# Altium PCB LPCB220R0.PcbDoc (part 1 of 4) (continued)
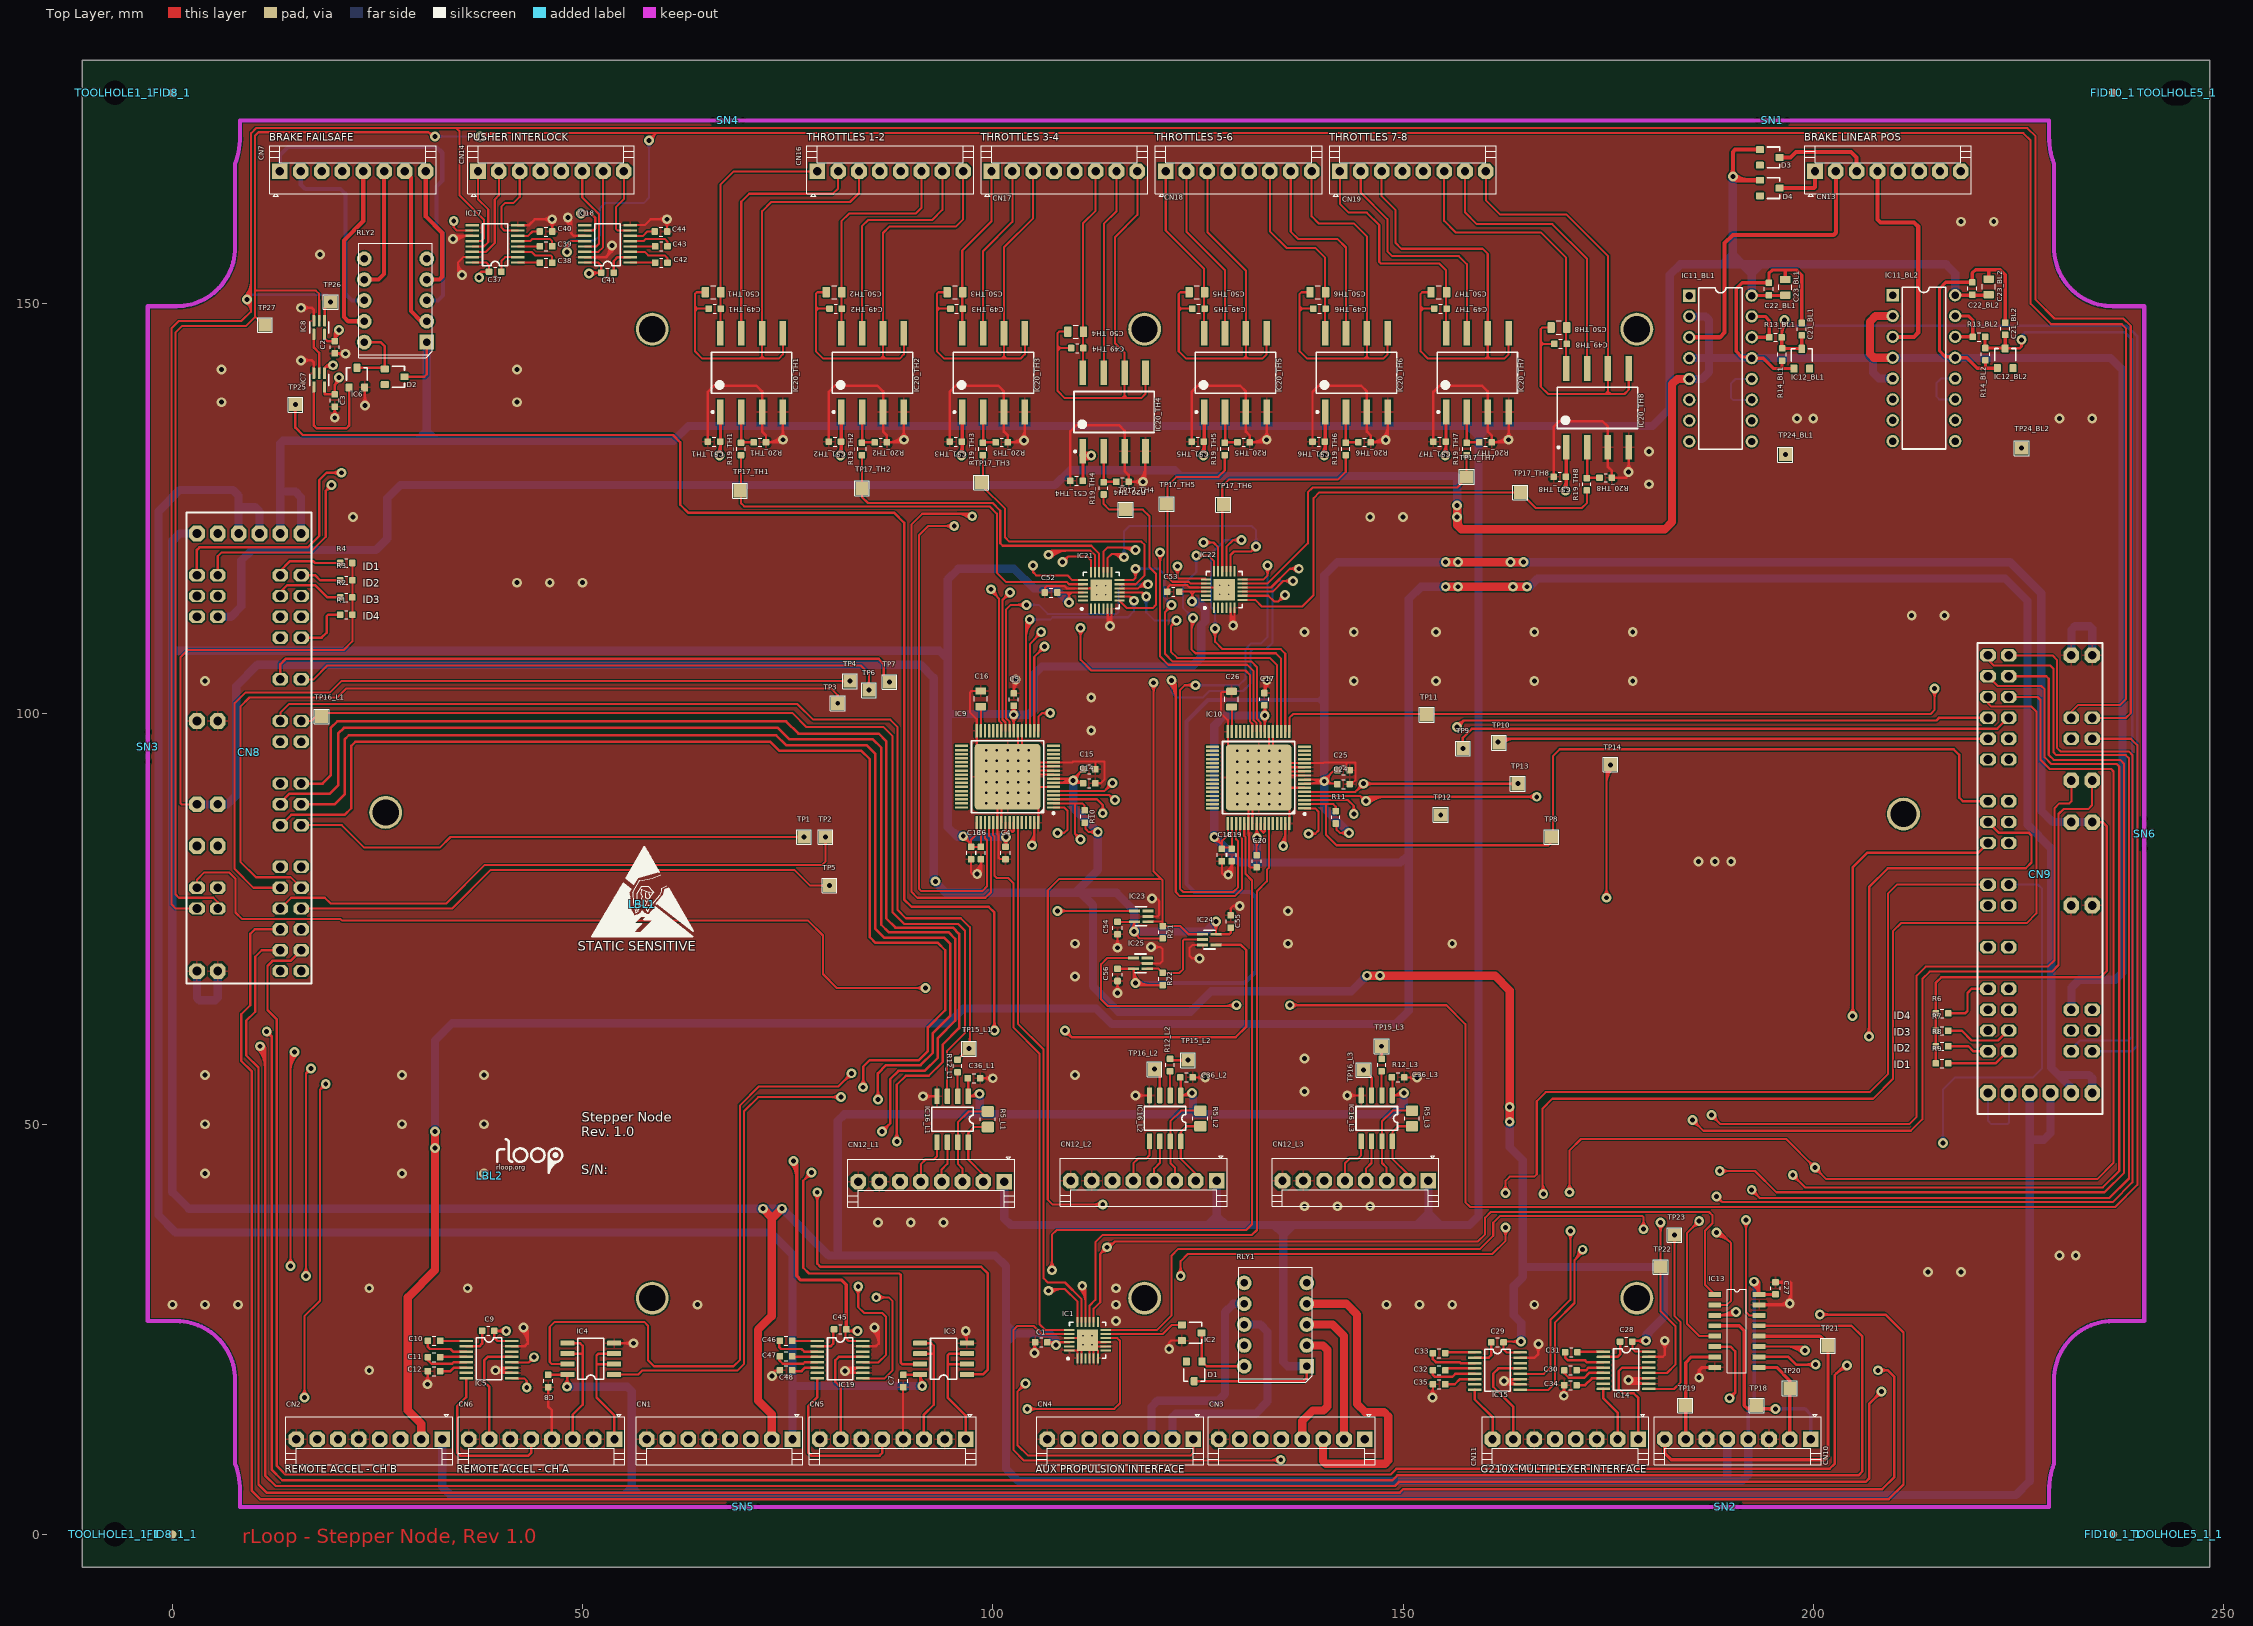
[diagram p0: Top Layer view]
## Components (designator, comment, footprint, x,y, rotation, side; value= is the part's Value field where it differs from the comment) (continued)
CN19 "640456-8" 640456-8 151.2,166.138 r0 top
D1 "BAS16" LFP021__SOT23 124.55,19.875 r180 top
D2 "BAS16" LFP021__SOT23 27.1,141.1 r270 top
D3 "BAS16" LFP021__SOT23 194.7,167.829 r270 top
D4 "BAS16" LFP021__SOT23 194.7,164.1 r270 top
FID8_1 "FIDUCIAL" FIDTOP 0,175.695 r0 top
FID8_1_1 "FIDUCIAL" FIDTOP 0,0 r0 top
FID10_1 "FIDUCIAL" FIDTOP 236.548,175.695 r0 top
FID10_1_1 "FIDUCIAL" FIDTOP 236.548,0 r0 top
IC1 "MAX4948ETG+" LFP095__QFN127P600-8N 111.55,23.675 r0 top
IC2 "NUD3124LT1G" LFP021__SOT23 124.25,24.575 r270 top
IC3 "P82B96D" LFP097__SOIC150-8 94,21.4 r90 top
IC4 "P82B96D" LFP097__SOIC150-8 51,21.4 r90 top
IC5 "MAX3232CPWR" LFP049__TSSOP-16 38.6,21.3 r270 top
IC6 "NUD3124LT1G" LFP021__SOT23 22.5,141 r0 top
IC7 "74LVC1G32GW,125" LFP047__SOT353 17.9,140.7 r180 top
IC8 "74LVC1G32GW,125" LFP047__SOT353 17.9,147.1 r180 top
IC9 "AMC7812BSPAP" LFP134__H-QFP10X10-64N 101.8,92.35 r90 top
IC10 "AMC7812BSPAP" LFP134__H-QFP10X10-64N 132.4,92.25 r90 top
IC11_BL1 "RCV420JP" DIP-P16/X1.5 188.7,142.1 r270 top (schematic designator IC11)
IC11_BL2 "RCV420JP" DIP-P16/X1.5 213.49,142.15 r270 top (schematic designator IC11)
IC12_BL1 "BZX84C3V6LT1G" LFP021__SOT23 198.6,143.3 r0 top (schematic designator IC12)
IC12_BL2 "BZX84C3V6LT1G" LFP021__SOT23 223.39,143.35 r0 top (schematic designator IC12)
IC13 "SN74HCT157DR" LFP079__SOP16 190.7,24.8 r270 top
IC14 "MAX3232CPWR" LFP049__TSSOP-16 177.2,20 r270 top
IC15 "MAX3232CPWR" LFP049__TSSOP-16 161.5,19.9 r270 top
IC16_L1 "DS8921AMX/NOPB" LFP069__R-8G 95.1,50.6 r180 top (schematic designator IC16)
IC16_L2 "DS8921AMX/NOPB" LFP069__R-8G 121,50.7 r180 top (schematic designator IC16)
IC16_L3 "DS8921AMX/NOPB" LFP069__R-8G 146.8,50.7 r180 top (schematic designator IC16)
IC17 "MAX3232CPWR" LFP049__TSSOP-16 39.35,157.3 r90 top
IC18 "MAX3232CPWR" LFP049__TSSOP-16 53.05,157.3 r90 top
IC19 "MAX3232CPWR" LFP049__TSSOP-16 81.4,21.3 r270 top
IC20_TH1 "AMC1100DWV" LFP116__R-PDSO-G8 70.61,141.6 r0 top (schematic designator IC20)
IC20_TH2 "AMC1100DWV" LFP116__R-PDSO-G8 85.351,141.6 r0 top (schematic designator IC20)
IC20_TH3 "AMC1100DWV" LFP116__R-PDSO-G8 100.093,141.6 r0 top (schematic designator IC20)
IC20_TH4 "AMC1100DWV" LFP116__R-PDSO-G8 114.8,136.8 r0 top (schematic designator IC20)
IC20_TH5 "AMC1100DWV" LFP116__R-PDSO-G8 129.576,141.6 r0 top (schematic designator IC20)
IC20_TH6 "AMC1100DWV" LFP116__R-PDSO-G8 144.317,141.6 r0 top (schematic designator IC20)
IC20_TH7 "AMC1100DWV" LFP116__R-PDSO-G8 159.059,141.6 r0 top (schematic designator IC20)
IC20_TH8 "AMC1100DWV" LFP116__R-PDSO-G8 173.7,137.3 r0 top (schematic designator IC20)
IC21 "MAX4948ETG+" LFP095__QFN127P600-8N 113.22,115.058 r0 top
IC22 "MAX4948ETG+" LFP095__QFN127P600-8N 128.22,115.158 r0 top
IC23 "MAX6814XK+T" LFP047__SOT353 118.087,75.33 r90 top
IC24 "74LVC1G32GW,125" LFP047__SOT353 126.4,72.5 r270 top
IC25 "MAX6814XK+T" LFP047__SOT353 118,69.6 r90 top
LBL1 "STATIC LABEL" STATIC_LABEL 57.3,76.8 r0 top
LBL2 "RLOOP_LOGO" RLOOP_LOGO 38.7,43.7 r0 top
R1 "0R / 0.1W / SMD 0603" LFP020__CR1608-0603-IPC7351_B 21.2,112.1 r0 top
R2 "0R / 0.1W / SMD 0603" LFP020__CR1608-0603-IPC7351_B 21.2,114.2 r0 top
R3 "0R / 0.1W / SMD 0603" LFP020__CR1608-0603-IPC7351_B 21.2,116.3 r0 top
R4 "0R / 0.1W / SMD 0603" LFP020__CR1608-0603-IPC7351_B 21.2,118.4 r0 top
R5_L1 "120R / 0.25W / SMD 0805" LFP029__CR2012-0805 99.4,50.6 r90 top (schematic designator R5)
R5_L2 "120R / 0.25W / SMD 0805" LFP029__CR2012-0805 125.3,50.7 r90 top (schematic designator R5)
R5_L3 "120R / 0.25W / SMD 0805" LFP029__CR2012-0805 151.1,50.7 r90 top (schematic designator R5)
R6 "0R / 0.1W / SMD 0603" LFP020__CR1608-0603-IPC7351_B 215.7,63.5 r180 top
R7 "0R / 0.1W / SMD 0603" LFP020__CR1608-0603-IPC7351_B 215.7,61.4 r180 top
R8 "0R / 0.1W / SMD 0603" LFP020__CR1608-0603-IPC7351_B 215.7,59.5 r180 top
R9 "0R / 0.1W / SMD 0603" LFP020__CR1608-0603-IPC7351_B 215.7,57.4 r180 top
R10 "10K / 0.1W / 1% / SMD 0603" LFP020__CR1608-0603-IPC7351_B 111.2,87.5 r270 top
R11 "10K / 0.1W / 1% / SMD 0603" LFP020__CR1608-0603-IPC7351_B 141.8,87.4 r270 top
R12_L1 "2.2K / 0.1W / 1% / SMD 0603" LFP020__CR1608-0603-IPC7351_B 95.7,57.1 r270 top (schematic designator R12)
R12_L2 "2.2K / 0.1W / 1% / SMD 0603" LFP020__CR1608-0603-IPC7351_B 121.6,57.2 r270 top (schematic designator R12)
R12_L3 "2.2K / 0.1W / 1% / SMD 0603" LFP020__CR1608-0603-IPC7351_B 147.4,57.2 r270 top (schematic designator R12)
R13_BL1 "1.78K / 0.1W / 1% / 50V / SMD 0603" LFP020__CR1608-0603-IPC7351_B 195.4,145.9 r180 top (schematic designator R13)
R13_BL2 "1.78K / 0.1W / 1% / 50V / SMD 0603" LFP020__CR1608-0603-IPC7351_B 220.19,145.95 r180 top (schematic designator R13)
R14_BL1 "3.3K / 0.1W / 1% / SMD 0603" LFP020__CR1608-0603-IPC7351_B 196.2,143.8 r90 top (schematic designator R14)
R14_BL2 "3.3K / 0.1W / 1% / SMD 0603" LFP020__CR1608-0603-IPC7351_B 220.99,143.85 r90 top (schematic designator R14)
R19_TH1 "190K / 0.1W / 1% / SMD 0603" LFP020__CR1608-0603-IPC7351_B 69.31,132.3 r270 top (schematic designator R19)
R19_TH2 "190K / 0.1W / 1% / SMD 0603" LFP020__CR1608-0603-IPC7351_B 84.051,132.3 r270 top (schematic designator R19)
R19_TH3 "190K / 0.1W / 1% / SMD 0603" LFP020__CR1608-0603-IPC7351_B 98.793,132.3 r270 top (schematic designator R19)
R19_TH4 "190K / 0.1W / 1% / SMD 0603" LFP020__CR1608-0603-IPC7351_B 113.5,127.5 r270 top (schematic designator R19)
R19_TH5 "190K / 0.1W / 1% / SMD 0603" LFP020__CR1608-0603-IPC7351_B 128.276,132.3 r270 top (schematic designator R19)
R19_TH6 "190K / 0.1W / 1% / SMD 0603" LFP020__CR1608-0603-IPC7351_B 143.017,132.3 r270 top (schematic designator R19)
R19_TH7 "190K / 0.1W / 1% / SMD 0603" LFP020__CR1608-0603-IPC7351_B 157.759,132.3 r270 top (schematic designator R19)
R19_TH8 "190K / 0.1W / 1% / SMD 0603" LFP020__CR1608-0603-IPC7351_B 172.4,128 r270 top (schematic designator R19)
R20_TH1 "10K / 0.1W / 1% / SMD 0603" LFP020__CR1608-0603-IPC7351_B 71.61,133.1 r180 top (schematic designator R20)
R20_TH2 "10K / 0.1W / 1% / SMD 0603" LFP020__CR1608-0603-IPC7351_B 86.351,133.1 r180 top (schematic designator R20)
R20_TH3 "10K / 0.1W / 1% / SMD 0603" LFP020__CR1608-0603-IPC7351_B 101.093,133.1 r180 top (schematic designator R20)
R20_TH4 "10K / 0.1W / 1% / SMD 0603" LFP020__CR1608-0603-IPC7351_B 115.8,128.3 r180 top (schematic designator R20)
R20_TH5 "10K / 0.1W / 1% / SMD 0603" LFP020__CR1608-0603-IPC7351_B 130.576,133.1 r180 top (schematic designator R20)
R20_TH6 "10K / 0.1W / 1% / SMD 0603" LFP020__CR1608-0603-IPC7351_B 145.317,133.1 r180 top (schematic designator R20)
R20_TH7 "10K / 0.1W / 1% / SMD 0603" LFP020__CR1608-0603-IPC7351_B 160.059,133.1 r180 top (schematic designator R20)
R20_TH8 "10K / 0.1W / 1% / SMD 0603" LFP020__CR1608-0603-IPC7351_B 174.7,128.8 r180 top (schematic designator R20)
R21 "10K / 0.1W / 1% / SMD 0603" LFP020__CR1608-0603-IPC7351_B 120.7,73.4 r270 top
R22 "10K / 0.1W / 1% / SMD 0603" LFP020__CR1608-0603-IPC7351_B 120.7,67.7 r270 top
RLY1 "TQ2-24" TQ2 134.45,25.575 r90 top
RLY2 "TQ2-24" TQ2 27.2,150.4 r90 top
SN1 "PCB_SNAPOUT" SNAPOUT_NEW 196.8,172.348 r180 top
SN2 "PCB_SNAPOUT" SNAPOUT_NEW 191.1,3.348 r180 top
SN3 "PCB_SNAPOUT" SNAPOUT_NEW -3,94.2 r90 top
SN4 "PCB_SNAPOUT" SNAPOUT_NEW 69.5,172.348 r180 top
SN5 "PCB_SNAPOUT" SNAPOUT_NEW 71.4,3.348 r180 top
SN6 "PCB_SNAPOUT" SNAPOUT_NEW 240.4,83.6 r90 top
TOOLHOLE1_1 "Comment" TOOL-1#1 -7,175.695 r0 top
TOOLHOLE1_1_1 "Comment" TOOL-1#1 -7,0 r0 top
TOOLHOLE5_1 "Comment" TOOL-1#2 244.348,175.695 r0 top
TOOLHOLE5_1_1 "Comment" TOOL-1#2 244.348,0 r0 top
TP1 "SMD_TP" SMD-TP 77,85 r0 top
TP2 "SMD_TP" SMD-TP 79.6,85 r0 top
TP3 "SMD_TP" SMD-TP 81.1,101.3 r0 top
TP4 "SMD_TP" SMD-TP 82.6,104 r0 top
TP5 "SMD_TP" SMD-TP 80.1,79.1 r0 top
TP6 "SMD_TP" SMD-TP 84.9,102.9 r0 top
TP7 "SMD_TP" SMD-TP 87.4,103.9 r0 top
TP8 "SMD_TP" SMD-TP 168.1,85 r0 top
TP9 "SMD_TP" SMD-TP 157.3,95.8 r0 top
TP10 "SMD_TP" SMD-TP 161.706,96.494 r0 top
TP11 "SMD_TP" SMD-TP 152.9,99.9 r0 top
TP12 "SMD_TP" SMD-TP 154.6,87.7 r0 top
TP13 "SMD_TP" SMD-TP 164,91.5 r0 top
TP14 "SMD_TP" SMD-TP 175.275,93.825 r0 top
TP15_L1 "SMD_TP" SMD-TP 97.1,59.2 r90 top (schematic designator TP15)
TP15_L2 "SMD_TP" SMD-TP 123.8,57.8 r90 top (schematic designator TP15)
TP15_L3 "SMD_TP" SMD-TP 147.4,59.5 r90 top (schematic designator TP15)
TP16_L1 "SMD_TP" SMD-TP 18.2,99.7 r90 top (schematic designator TP16)
TP16_L2 "SMD_TP" SMD-TP 119.7,56.7 r90 top (schematic designator TP16)
TP16_L3 "SMD_TP" SMD-TP 145.2,56.6 r90 top (schematic designator TP16)
TP17_TH1 "SMD_TP" SMD-TP 69.2,127.2 r90 top (schematic designator TP17)
TP17_TH2 "SMD_TP" SMD-TP 84.051,127.5 r90 top (schematic designator TP17)
TP17_TH3 "SMD_TP" SMD-TP 98.6,128.2 r90 top (schematic designator TP17)
TP17_TH4 "SMD_TP" SMD-TP 116.2,124.9 r90 top (schematic designator TP17)
TP17_TH5 "SMD_TP" SMD-TP 121.2,125.6 r90 top (schematic designator TP17)
TP17_TH6 "SMD_TP" SMD-TP 128.1,125.5 r90 top (schematic designator TP17)
TP17_TH7 "SMD_TP" SMD-TP 157.759,128.9 r90 top (schematic designator TP17)
TP17_TH8 "SMD_TP" SMD-TP 164.3,127 r90 top (schematic designator TP17)
TP18 "SMD_TP" SMD-TP 193.1,15.7 r0 top
TP19 "SMD_TP" SMD-TP 184.4,15.7 r0 top
TP20 "SMD_TP" SMD-TP 197.15,17.8 r0 top
TP21 "SMD_TP" SMD-TP 201.8,23 r0 top
TP22 "SMD_TP" SMD-TP 181.4,32.6 r0 top
TP23 "SMD_TP" SMD-TP 183.1,36.5 r0 top
TP24_BL1 "SMD_TP" SMD-TP 196.6,131.6 r90 top (schematic designator TP24)
TP24_BL2 "SMD_TP" SMD-TP 225.4,132.4 r90 top (schematic designator TP24)
TP25 "SMD_TP" SMD-TP 15,137.7 r0 top
TP26 "SMD_TP" SMD-TP 19.3,150.2 r0 top
TP27 "SMD_TP" SMD-TP 11.3,147.4 r0 top

## Footprints (in the part's own frame and the unit in brackets; to place one, negate y for a bottom-side part, rotate by r counter-clockwise, add the part's x,y. Pads: shape width x height; smd on the part's side, far side on the other; paste and mask are expansions set on the pad)
640456-8 [mm] "Connector, Male Header, 8 Way"
  rect 1.905x1.905 hole 1.02: 1(-8.89,0)
  oct 1.905x1.905 hole 1.02: 2(-6.35,0) 3(-3.81,0) 4(-1.27,0) 5(1.27,0) 6(3.81,0) 7(6.35,0) 8(8.89,0)
  silkscreen extent -10.15,-3.04 10.17,3.1
DIP-P16/X1.5 [mm] "16Pin DIP"
  rect 1.5x1.5 hole 0.9: 1(-8.89,-3.81)
  round 1.5 hole 0.9: 2(-6.35,-3.81) 3(-3.81,-3.81) 4(-1.27,-3.81) 5(1.27,-3.81) 6(3.81,-3.81) 7(6.35,-3.81) 8(8.89,-3.81) 9(8.89,3.81) 10(6.35,3.81) 11(3.81,3.81) 12(1.27,3.81) 13(-1.27,3.81) 14(-3.81,3.81) 15(-6.35,3.81) 16(-8.89,3.81)
  silkscreen extent -9.85,-2.65 9.85,2.65
FIDTOP [mil]
  round 40 smd mask+39.37: 1(0,0)
LFP010__CC2012-0805-IPC7351_B [mm]
  rrect25% 0.9x1.3 smd paste-0.01: 1(-0.95,0) 2(0.95,0)
  silkscreen extent -0.3,-0.8 0.3,0.8
LFP011__CC1608-0603-IPC7351_B [mm]
  rrect25% 0.8x0.8 smd: 1(-0.75,0) 2(0.75,0)
  silkscreen extent -0.2,-0.55 0.2,0.55
LFP020__CR1608-0603-IPC7351_B [mm]
  rrect25% 0.8x0.8 smd: 1(-0.75,0) 2(0.75,0)
  silkscreen extent -0.2,-0.5 0.2,0.5
LFP021__SOT23 [mm] "SOT-23; 3 Leads; Body 3.0 x 2.5 mm, inc. leads (LxW max)"
  rrect25% 0.85x1 smd paste-0.05: 1(-0.95,-1.2) 2(0.95,-1.2) 3(0,1.2)
  silkscreen extent -1.27,-0.3 1.28,1.2
LFP029__CR2012-0805 [mm]
  rrect25% 1.3x1.5 smd paste-0.01: 1(-0.95,0) 2(0.95,0)
  silkscreen extent -0.2,-0.9 0.2,0.9
LFP047__SOT353 [mm] "SOT-353/SC-88A; 5 Leads; Body 2.2 x 2.2 mm, inc. leads (LxW max)"
  rrect25% 0.35x1.35 smd paste-0.03: 1(-0.65,-0.825) 2(0,-0.825) 3(0.65,-0.825) 4(0.65,0.825) 5(-0.65,0.825)
  silkscreen extent -1.15,-0.7 1.15,0.7
LFP049__TSSOP-16 [mm] "Copied from 984E-02"
  rrect25% 0.3x1.65 smd paste-0.03: 1(-2.275,-2.775) 2(-1.625,-2.775) 3(-0.975,-2.775) 4(-0.325,-2.775) 5(0.325,-2.775) 6(0.975,-2.775) 7(1.625,-2.775) 8(2.275,-2.775) 9(2.275,2.775) 10(1.625,2.775) 11(0.975,2.775) 12(0.325,2.775) 13(-0.325,2.775) 14(-0.975,2.775) 15(-1.625,2.775) 16(-2.275,2.775)
  silkscreen extent -2.65,-1.55 2.45,1.55
LFP069__R-8G [mm] "Small Outline; 8 Leads; Body Width 3.9 mm; Pitch 1.27 mm"
  rrect25% 0.65x1.9 smd paste-0.05: 1(-1.905,-2.8) 2(-0.635,-2.8) 3(0.635,-2.8) 4(1.905,-2.8) 5(1.905,2.8) 6(0.635,2.8) 7(-0.635,2.8) 8(-1.905,2.8)
  silkscreen extent -2.52,-1.45 2.52,1.45
LFP079__SOP16 [mm]
  rrect10% 0.6x1.55 smd paste-0.05: 1(-4.445,-2.7) 2(-3.175,-2.7) 3(-1.905,-2.7) 4(-0.635,-2.7) 5(0.635,-2.7) 6(1.905,-2.7) 7(3.175,-2.7) 8(4.445,-2.7) 9(4.445,2.7) 10(3.175,2.7) 11(1.905,2.7) 12(0.635,2.7) 13(-0.635,2.7) 14(-1.905,2.7) 15(-3.175,2.7) 16(-4.445,2.7)
  silkscreen extent -5.08,-1.16 5.08,1.16
LFP095__QFN127P600-8N [mm]
  rrect25% 0.25x1.25 smd paste-0.02: 1(-1.25,-2.225) 2(-0.75,-2.225) 3(-0.25,-2.225) 4(0.25,-2.225) 5(0.75,-2.225) 6(1.25,-2.225) 13(1.25,2.225) 14(0.75,2.225) 15(0.25,2.225) 16(-0.25,2.225) 17(-0.75,2.225) 18(-1.25,2.225)
  rrect25% 1.25x0.25 smd paste-0.02: 7(2.225,-1.25) 8(2.225,-0.75) 9(2.225,-0.25) 10(2.225,0.25) 11(2.225,0.75) 12(2.225,1.25) 19(-2.225,1.25) 20(-2.225,0.75) 21(-2.225,0.25) 22(-2.225,-0.25) 23(-2.225,-0.75) 24(-2.225,-1.25)
  rect 2.6x2.6 smd paste-0.6: PAD(0,0)
  silkscreen extent -2.5,-2.37 2.2,2.2
LFP097__SOIC150-8 [mm] "Small Outline, Plastic, Narrow; 8 Leads; Body Width 3.8 mm; Pitch 1.27 mm"
  rrect10% 0.6x1.7 smd paste-0.05: 1(-1.905,-2.85) 2(-0.635,-2.85) 3(0.635,-2.85) 4(1.905,-2.85) 5(1.905,2.85) 6(0.635,2.85) 7(-0.635,2.85) 8(-1.905,2.85)
  silkscreen extent -2.5,-1.6 2.5,1.6
LFP116__R-PDSO-G8 [mm] "SOP, 8-Leads, Body 9.50x6.62mm, Pitch 2.54mm, IPC Medium Density"
  rect 0.8x3 smd: 1(-3.81,-4.8) 2(-1.27,-4.8) 3(1.27,-4.8) 4(3.81,-4.8) 5(3.81,4.8) 6(1.27,4.8) 7(-1.27,4.8) 8(-3.81,4.8)
  silkscreen extent -4.9,-4.92 4.9,2.5
LFP134__H-QFP10X10-64N [mm] "HQFP 10X10MM"
  rrect25% 0.3x1.6 smd paste-0.015: 1(-3.75,-5.6) 2(-3.25,-5.6) 3(-2.75,-5.6) 4(-2.25,-5.6) 5(-1.75,-5.6) 6(-1.25,-5.6) 7(-0.75,-5.6) 8(-0.25,-5.6) 9(0.25,-5.6) 10(0.75,-5.6) 11(1.25,-5.6) 12(1.75,-5.6) 13(2.25,-5.6) 14(2.75,-5.6) 15(3.25,-5.6) 16(3.75,-5.6) 33(3.75,5.6) 34(3.25,5.6) 35(2.75,5.6) 36(2.25,5.6) 37(1.75,5.6) 38(1.25,5.6) 39(0.75,5.6) 40(0.25,5.6) 41(-0.25,5.6) 42(-0.75,5.6) 43(-1.25,5.6) 44(-1.75,5.6) 45(-2.25,5.6) 46(-2.75,5.6) 47(-3.25,5.6) 48(-3.75,5.6)
  rrect25% 1.6x0.3 smd paste-0.015: 17(5.6,-3.75) 18(5.6,-3.25) 19(5.6,-2.75) 20(5.6,-2.25) 21(5.6,-1.75) 22(5.6,-1.25) 23(5.6,-0.75) 24(5.6,-0.25) 25(5.6,0.25) 26(5.6,0.75) 27(5.6,1.25) 28(5.6,1.75) 29(5.6,2.25) 30(5.6,2.75) 31(5.6,3.25) 32(5.6,3.75) 49(-5.6,3.75) 50(-5.6,3.25) 51(-5.6,2.75) 52(-5.6,2.25) 53(-5.6,1.75) 54(-5.6,1.25) 55(-5.6,0.75) 56(-5.6,0.25) 57(-5.6,-0.25) 58(-5.6,-0.75) 59(-5.6,-1.25) 60(-5.6,-1.75) 61(-5.6,-2.25) 62(-5.6,-2.75) 63(-5.6,-3.25) 64(-5.6,-3.75)
  rrect10% 8x8 smd paste-8: PAD(0,0)
  silkscreen extent -4.57,-5.72 4.4,4.4
RLOOP_LOGO [mm]
  silkscreen extent 0.89,0.39 8.82,4.45
RLOOP_NODE_CORE [mil]
  oct 59.06x75 hole 42: A10(200,0) A11(200,100) A12(300,0) A13(300,100) A14(400,0) AGND(400,100) ID1(200,400) ID2(200,500) ID3(300,400) ID4(500,500) ID5(500,400) ID6(400,500) ID7(400,400) ID8(300,500) SCL(700,500) SDA(700,400) T0(900,400) T1(900,500) T2(1000,400) T5(1000,500) T6(1200,400) T7(1200,500) T8(1300,400) T9(1300,500) T10(1400,400) T11(1400,500) T14(1600,400) T15(1600,500) T16(1700,400) T17(1700,500) T20(1800,400) T21(1800,500) T22(1900,400) T23(1900,500) T24(2000,400) T25(2000,500) T26(2100,400) T27(2100,500) T28(1700,0) T31(1700,100) T32(1800,0) T33(1800,100)
  oct 75x75 hole 42: D3V31(1300,0) D3V32(1300,100) D12V1(0,300) D12V2(0,200) GND1(2100,100) GND2(2100,0) GND3(900,100) GND4(900,0) P5V1(0,0) P5V2(0,100) P24V1(0,400) P24V2(0,500) T12(1500,0) T13(1500,100)
  silkscreen extent -100,-50 2160,550
SMD-TP [mm]
  rect 1.6x1.6 smd paste-2: 1(0,0)
  silkscreen extent -0.9,-0.9 0.9,0.9
SNAPOUT_NEW [mm]
  round 0.4 hole 0.8 unplated: 0(0,0) 0(1.2,0) 0(2.4,0) 0(3.6,0)
STATIC_LABEL [mm]
  silkscreen extent -6.16,-3.95 6.18,7.02
TOOL-1#1 [mm]
  round 2.54 hole 3 unplated: TOOL(0,0)
TOOL-1#2 [mm]
  round 0.076 hole 3 slot 4 at 0 deg unplated: TOOL1(0,0)
TQ2 [mm]
  rect 1.8x1.8 hole 0.9: 1(-5.08,-3.81)
  round 1.8 hole 0.9: 2(-2.54,-3.81) 3(0,-3.81) 4(2.54,-3.81) 5(5.08,-3.81) 6(5.08,3.81) 7(2.54,3.81) 8(0,3.81) 9(-2.54,3.81) 10(-5.08,3.81)
  silkscreen extent -7,-4.5 7,4.5

## Part data
C1 C2 C3 C4 C5 C6 C7 C8 C13 C14 C15 C17 C18 C19 C20 C22_BL1 C22_BL2 C24 C25 C27 C36_L1 C36_L2 C36_L3 C49_TH1 C49_TH2 C49_TH3 C49_TH4 C49_TH5 C49_TH6 C49_TH7 C49_TH8 C51_TH1 C51_TH2 C51_TH3 C51_TH4 C51_TH5 C51_TH6 C51_TH7 C51_TH8 C52 C53 C54 C55 C56: "Capacitor, Ceramic Chip, 100nF (0.1uF), 50V, 5%, SMD 0603 [LCA016]"
C9 C10 C11 C12 C28 C29 C30 C31 C32 C33 C34 C35 C37 C38 C39 C40 C41 C42 C43 C44 C45 C46 C47 C48: "Capacitor, Ceramic Chip, 100nF, 50V, 10%, SMD 0603"
C16 C26: "Capacitor, Ceramic Chip, 4.7uF, 25V, 10%, SMD 0805 [LCA093]"
C21_BL1 C21_BL2: "Capacitor, Ceramic Chip, 10pF, 50V, 5%, SMD 0603 [LCA019]"
C23_BL1 C23_BL2 C50_TH1 C50_TH2 C50_TH3 C50_TH4 C50_TH5 C50_TH6 C50_TH7 C50_TH8: "Capacitor, Ceramic Chip, 1uF, 50V, SMD 0805 [LCA098]"
CN1 CN2 CN3 CN4 CN5 CN6 CN7 CN10 CN11 CN12_L1 CN12_L2 CN12_L3 CN13 CN14 CN16 CN17 CN18 CN19: "Connector, Male Header, 8 Way"
CN8 CN9: "rLoop Node Core Connector"
D1 D2 D3 D4: "Diode, Small Signal, 0.2A, 85V, SMD SOT-23 [LIC006]"
IC1 IC21 IC22: "IC, Analog Switch, SMD [LIC548]"
IC2 IC6: "IC, Relay Driver, 28V Industrial, SMD SOT23 [LIC292]"
IC3 IC4: "IC, I2C Line Driver [LIC571]"
IC5 IC14 IC15 IC17 IC18 IC19: "IC, RS232 Line Driver, 3.3V, SMD TSSOP16"
IC7 IC8 IC24: "IC, Logic OR Gate, Single 2 Input, SMD SOT353 [LIC336]"
IC9 IC10: "IC, ADC / DAC, SMD [LIC550]"
IC11_BL1 IC11_BL2: "IC, 4-20mA Interface, DIP16 [LIC546]"
IC12_BL1 IC12_BL2: "Diode, Zener, 3.6V, 0.225W, SMD [LIC083]"
IC13: "IC, Multiplexer Select 2-1 [LIC525]"
IC16_L1 IC16_L2 IC16_L3: "IC, RS422 Tx Rx, SMD SOIC 8"
IC20_TH1 IC20_TH2 IC20_TH3 IC20_TH4 IC20_TH5 IC20_TH6 IC20_TH7 IC20_TH8: "IC, Isolation Amplifier, SMD SOIC8 [LIC549]"
IC23 IC25: "IC, Watchdog, SMD [LIC580]"
R1 R2 R3 R4 R6 R7 R8 R9: "Resistor, Ceramic Chip, 0R, 0.1W, SMD 0603 [LRE026]"
R5_L1 R5_L2 R5_L3: "Resistor, Thick Film, 120R, 0.25W, 5%, SMD 0805 [LRE190]"
R10 R11 R20_TH1 R20_TH2 R20_TH3 R20_TH4 R20_TH5 R20_TH6 R20_TH7 R20_TH8 R21 R22: "Resistor, Ceramic Chip, 10K, 0.1W, 1%, SMD 0603 [LRE030]"
R12_L1 R12_L2 R12_L3: "Resistor, Ceramic Chip, 2.2K, 0.1W, 1%, SMD 0603 [LRE027]"
R13_BL1 R13_BL2: "Resistor, Ceramic Chip, 1.78K, 0.1W, 1%, SMD 0603 [LRE167]"
R14_BL1 R14_BL2: "Resistor, Ceramic Chip, 3.3K0, 0.1W, 1%, SMD 0603 [LRE140]"
R19_TH1 R19_TH2 R19_TH3 R19_TH4 R19_TH5 R19_TH6 R19_TH7 R19_TH8: "Resistor, Ceramic Chip, 190K, 0.1W, 1%, SMD 0603 [LRE184]"
RLY1 RLY2: "Relay, DPDT, Non Latching, 24VDC Coil, 1A Rating, PTH"
TP1 TP2 TP3 TP4 TP5 TP6 TP7 TP8 TP9 TP10 TP11 TP12 TP13 TP14 TP15_L1 TP15_L2 TP15_L3 TP16_L1 TP16_L2 TP16_L3 TP17_TH1 TP17_TH2 TP17_TH3 TP17_TH4 TP17_TH5 TP17_TH6 TP17_TH7 TP17_TH8 TP18 TP19 TP20 TP21 TP22 TP23 TP24_BL1 TP24_BL2 TP25 TP26 TP27: "SMD Test Point"

## Free pads (board coordinates)
  round 4 hole 3.2: B(26,88) B(58.5,28.8) B(58.5,146.9) B(118.5,28.8) B(118.5,146.9) B(178.5,28.8) B(178.5,146.9) B(211,87.8)

## Via types
v1: diameter 1.2, hole 0.6, Top Layer to Bottom Layer, 341 vias
v2: diameter 0.6, hole 0.3, Top Layer to Bottom Layer, 60 vias
v3: diameter 0.5, hole 0.2, Top Layer to Bottom Layer, tented both sides, 12 vias

## Nets (pads, with @x,y where several pads share a name; then routed paths per layer and width w, separated by ;. In a path a pad name is that pad's centre, name@x,y a point inside that pad or via, vN(x,y) a via of type N, cw(c..) or ccw(c..) an arc to the next point about the centre after c; other vN are vias at no path point)
A_AP_THROTTLE1: IC1.19 IC9.53 | length 68.2
  Top Layer w0.254: IC9.53@100.05,86.75 100.05,85.235 100.214,85.071 100.214,80.286 100.5,80 101.9,80 102.5,79.4 102.5,61.8 105.7,58.6 105.7,31.286 105.7,25.6 106.375,24.925 IC1.19@109.325,24.925
A_AP_THROTTLE2: IC1.17 IC9.59 | length 65.3
  Top Layer w0.254: IC9.59@103.05,86.75 103.05,62.25 106.2,59.1 106.2,31.2 106.7,30.7 108.8,30.7 110.8,28.7 IC1.17@110.8,25.9
A_HE_THROTTLE1: IC9.26 IC21.19 | length 39.7
  Top Layer w0.254: v1@99.8,114.727 cw(c99.8,114.068) 100.266,114.534 ; v1(99.8,115.2) 99.7,115.1 100.772,114.028 100.772,99.157 101.05,98.879 IC9.26@101.05,97.95 ; v1@100.019,115.2 ccw(c101.031,115.2) 100.315,114.485 ; v1@100.273,115.2 ccw(c101.898,115.2) 100.749,114.051 ; v1@104.672,117.686 cw(c104.46,117.3) 104.9,117.3 ; v1(104.9,118.1) 104.9,117.3 ; v1@105.128,117.686 ccw(c105.34,117.3) 104.9,117.3 ; IC21.19@110.995,116.308 109.692,116.308 109.1,116.9 105.3,116.9 104.9,117.3
  Mid-Layer 1 w0.254: v1@99.466,115.534 ccw(c98.658,116.342) 99.8,116.342 ccw(c100.942,116.342) v1@100.134,115.534 ; v1(99.8,115.2) 99.8,117.1 100.8,118.1 v1(104.9,118.1) ; v1@104.566,117.766 ccw(c103.758,116.958) 103.758,118.1 ccw(c103.758,119.242) v1@104.566,118.434
A_HE_THROTTLE2: IC9.25 IC21.17 | length 46.2
  Top Layer w0.254: IC9.25@101.55,97.95 101.55,98.965 101.186,99.329 101.186,113.886 v1(102.1,114.8) ; v1@101.627,114.8 cw(c100.485,114.8) 101.293,113.993 cw(c102.1,113.185) v1@102.1,114.327 ; v1@106.596,119.604 cw(c107.309,118.891) 107.309,119.9 ; v1@106.775,119.425 cw(c107.923,118.277) 107.923,119.9 ; v1(106.8,119.4) 107.3,119.9 ; v1@106.955,119.245 cw(c108.536,117.664) 108.536,119.9 ; v1@106.981,119.837 ccw(c107.094,120.106) 107.3,119.9 ; v1@107.134,119.066 cw(c109.149,117.051) 109.149,119.9 ; v1@107.237,119.581 cw(c107.506,119.694) 107.3,119.9 ; IC21.17@112.47,117.283 112.47,119.33 111.9,119.9 107.3,119.9
  Mid-Layer 1 w0.254: v1@101.766,115.134 ccw(c100.958,115.942) 102.1,115.942 ccw(c103.242,115.942) v1@102.434,115.134 ; v1(102.1,114.8) 102.1,116.2 102.6,116.7 106,116.7 106.8,117.5 v1(106.8,119.4) ; v1@106.466,119.066 cw(c105.658,118.258) 106.8,118.258 cw(c107.942,118.258) v1@107.134,119.066
A_HE_THROTTLE3: IC9.24 IC21.10 | length 48.5
  Top Layer w0.254: IC9.24@102.05,97.95 102.05,99.05 101.6,99.5 101.6,112.7 102.2,113.3 v1(104.1,113.3) ; v1@103.766,112.966 ccw(c102.958,112.158) 102.958,113.3 ccw(c102.958,114.442) v1@103.766,113.634 ; IC21.10@115.445,115.308 117.708,115.308 ; 117.929,115.529 cw(c118.409,115.049) v1@118.78,115.617 ; 118.15,115.75 cw(c118.583,115.316) v1@118.919,115.829 ; v1@118.641,115.404 ccw(c118.234,114.782) 117.708,115.308 ; v1@118.9,116 119.1,116.2 118.6,116.2 117.708,115.308
  Bottom Layer w0.254: v1(104.1,113.3) 105.6,113.3 106.7,112.2 115.1,112.2 115.3,112.4 115.3,115.1 116,115.8 v1(118.9,115.8) ; v1@104.434,112.966 cw(c105.242,112.158) 105.242,113.3 cw(c105.242,114.442) v1@104.434,113.634 ; v1@118.566,115.466 ccw(c117.758,114.658) 117.758,115.8 ccw(c117.758,116.942) v1@118.566,116.134
A_HE_THROTTLE4: IC9.20 IC21.8 | length 39.8
  Top Layer w0.254: IC9.20@104.05,97.95 104.05,111.05 ; 104.05,109.272 cw(c106.728,109.272) v1@104.834,111.166 ; 104.05,109.885 cw(c106.115,109.885) v1@104.655,111.345 ; 104.05,110.498 cw(c105.502,110.498) v1@104.475,111.525 ; v1@104.083,111.276 cw(c103.915,111.185) 104.05,111.05 ; v1@104.276,111.083 ccw(c104.185,110.915) 104.05,111.05 ; v1(104.5,111.5) 104.05,111.05 ; IC21.8@115.445,114.308 116.692,114.308 ; v1@116.761,113.975 ccw(c116.473,114.089) 116.692,114.308 ; v1@117.025,114.239 cw(c116.911,114.527) 116.692,114.308 ; v1(117.2,113.8) 116.692,114.308
  Bottom Layer w0.254: v1(104.5,111.5) 107.014,111.5 107.3,111.786 116.486,111.786 117.2,112.5 v1(117.2,113.8) ; v1@104.834,111.166 cw(c105.642,110.358) 105.642,111.5 cw(c105.642,112.642) v1@104.834,111.834 ; v1@116.866,113.466 cw(c116.058,112.658) 117.2,112.658 cw(c118.342,112.658) v1@117.534,113.466
A_HE_THROTTLE5: IC9.19 IC22.19 | length 71
  Top Layer w0.254: IC9.19@104.55,97.95 104.55,108.55 v1@106,110 ; 105.022,109.022 ccw(c104.044,110) v1@105.427,110 ; 105.263,109.263 cw(c105.9,108.627) v1@105.9,109.527 ; 105.455,109.455 ccw(c104.911,110) v1@105.681,110 ; v1@122.166,117.666 cw(c121.358,116.858) 122.5,116.858 cw(c123.642,116.858) v1@122.834,117.666 ; v1(122.5,118) 122.5,116.6 122.572,116.528 125.875,116.528 IC22.19@125.995,116.408
  Mid-Layer 1 w0.254: 104.034,110.3 cw(c104.034,108.134) v1@105.566,109.666 ; 104.647,110.3 cw(c104.647,108.747) v1@105.745,109.845 ; 105.26,110.3 cw(c105.26,109.36) v1@105.925,110.025 ; v1@106,110 105.7,110.3 99.5,110.3 98.5,111.3 98.5,120 99.6,121.1 121.6,121.1 122.5,120.2 v1(122.5,118) ; v1@122.166,118.334 ccw(c121.358,119.142) 122.5,119.142 ccw(c123.642,119.142) v1@122.834,118.334
  other v1: 105.9,110
A_HE_THROTTLE6: IC9.18 IC22.17 | length 74.3
  Top Layer w0.254: IC9.18@105.05,97.95 105.05,106.95 v1(106.3,108.2) ; v1@105.827,108.2 cw(c104.685,108.2) 105.493,107.393 cw(c106.3,106.585) v1@106.3,107.727 ; v1(125.7,120.9) 126.9,120.9 127.47,120.33 IC22.17@127.47,117.383 ; v1@126.034,120.566 cw(c126.842,119.758) 126.842,120.9 cw(c126.842,122.042) v1@126.034,121.234
  Mid-Layer 1 w0.254: 104.468,109.432 ccw(c106.3,111.263) v1@106.3,108.673 ; 104.7,109.2 104.3,109.6 ; 104.902,108.998 ccw(c106.3,110.396) v1@106.3,108.419 ; 105.335,108.565 ccw(c106.3,109.529) v1@106.3,108.165 ; v1(106.3,108.2) 105.7,108.2 104.3,109.6 ; v1@125.227,120.903 ccw(c124.111,120.911) 124.9,121.7 ; v1@125.697,121.373 cw(c125.689,122.489) 124.9,121.7 ; v1(125.7,120.9) 124.9,121.7 ; 104.3,109.6 98.9,109.6 98,110.5 98,120.9 98.8,121.7 124.9,121.7
A_HE_THROTTLE7: IC9.51 IC22.10 | length 126
  Top Layer w0.254: v1@94.966,122.566 ccw(c94.158,121.758) 94.158,122.9 ccw(c94.158,124.042) v1@94.966,123.234 ; v1(95.3,122.9) 92.1,122.9 91,121.8 91,78.7 91.3,78.4 98.7,78.4 99.3,79 99.3,84.6 99.05,84.85 IC9.51@99.05,86.75 ; IC22.10@130.445,115.408 133.908,115.408 136.2,117.7 ; v1@136.957,117.375 ccw(c136.2,116.658) 136.2,117.7 ; v1@136.957,118.025 cw(c136.2,118.742) 136.2,117.7 ; v1(137.3,117.7) 136.2,117.7
  Mid-Layer 1 w0.254: v1(95.3,122.9) 136.5,122.9 137.3,122.1 v1(137.3,117.7) ; v1@95.634,122.566 cw(c96.442,121.758) 96.442,122.9 cw(c96.442,124.042) v1@95.634,123.234 ; v1@136.966,118.034 ccw(c136.158,118.842) 137.3,118.842 ccw(c138.442,118.842) v1@137.634,118.034
A_HE_THROTTLE8: IC9.52 IC22.8 | length 140.8
  Top Layer w0.254: 95.634,124.4 cw(c95.634,122.234) v1@97.166,123.766 ; 96.247,124.4 cw(c96.247,122.847) v1@97.345,123.945 ; 96.86,124.4 cw(c96.86,123.46) v1@97.525,124.125 ; v1(97.5,124.1) 97.2,124.4 91.4,124.4 90.1,123.1 90.1,78.3 90.8,77.6 99.1,77.6 99.8,78.3 99.8,84.9 99.55,85.15 IC9.52@99.55,86.75 ; IC22.8@130.445,114.408 133.592,114.408 134.3,113.7 134.8,113.7 v1(135.6,114.5) ; v1@135.127,114.497 cw(c134.011,114.489) 134.8,113.7 cw(c135.589,112.911) v1@135.597,114.027
  Mid-Layer 1 w0.254: v1(97.5,124.1) 98,124.1 98.5,123.6 ; v1@97.612,123.912 cw(c97.889,123.45) 98.27,123.83 ; v1@97.743,123.694 cw(c98.061,123.161) 98.5,123.6 ; v1(135.6,114.5) 139.2,114.5 139.6,114.9 139.6,122.5 138.5,123.6 98.5,123.6 ; v1@135.934,114.166 cw(c136.742,113.358) 136.742,114.5 cw(c136.742,115.642) v1@135.934,114.834